# Altium PCB PCB3.PcbDoc (part 8 of 9)
Units mm, origin at the board's own origin, x right, y up, seen from the top; angles counter-clockwise.
Board outline 233.8 x 110.5 mm, 4 copper layers (Top Layer, Layer 1, Layer 2, Bottom Layer), stack 0.603 mm thick; 1414 components, 1732 nets, 4924 pads, 691 vias.
Unrouted connection lines stored in the file: 2464.
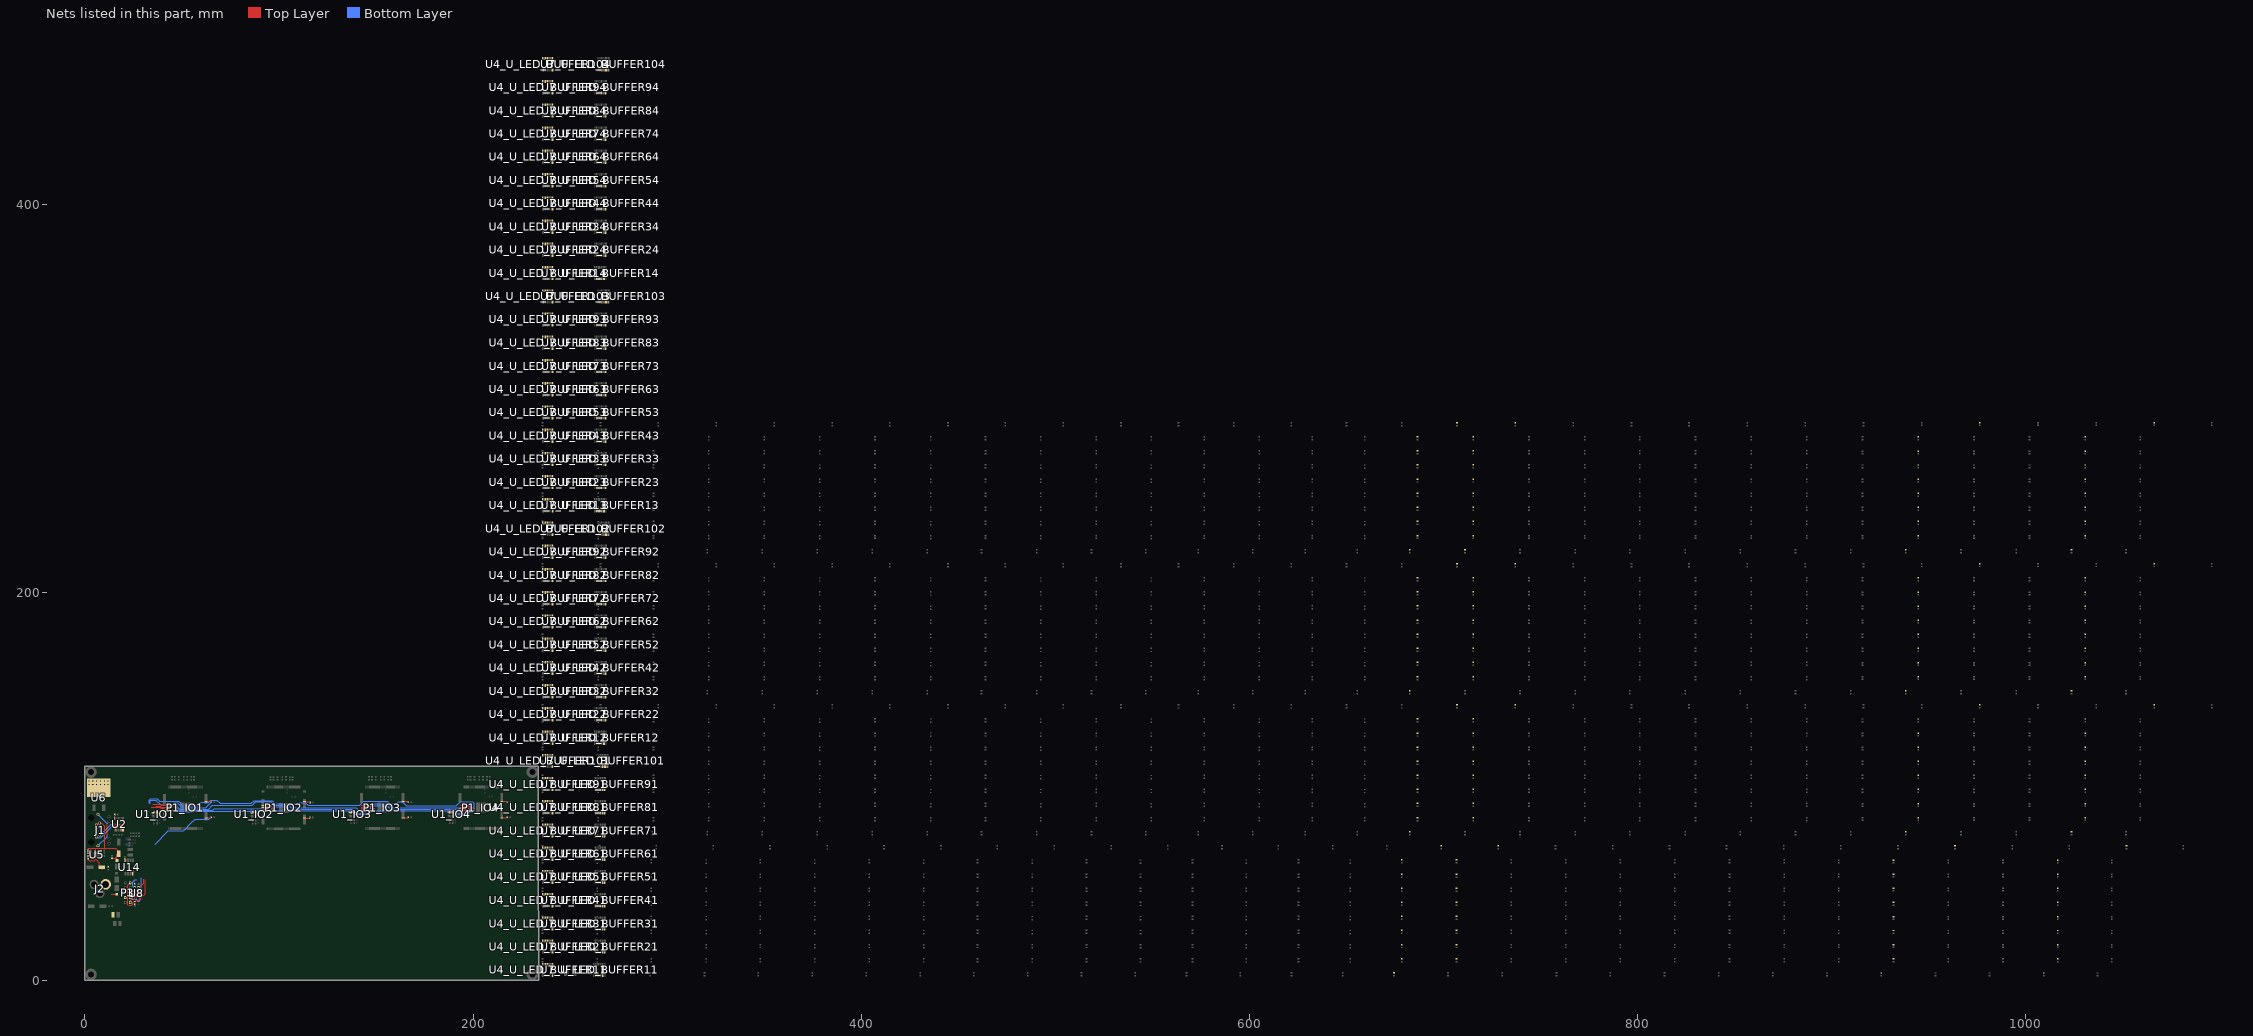
[diagram p10: the nets of this part, all layers, seen from the top]

## Via types
v1: diameter 0.61, hole 0.305, Top Layer to Bottom Layer, 691 vias

## Nets (pads, with @x,y where several pads share a name; then routed paths per layer and width w, separated by ;. In a path a pad name is that pad's centre, name@x,y a point inside that pad or via, vN(x,y) a via of type N, cw(c..) or ccw(c..) an arc to the next point about the centre after c; other vN are vias at no path point) (continued)
NetR53_U_LED_BUFFER14_1: R53_U_LED_BUFFER14.1 U4_U_LED_BUFFER14.8
NetR53_U_LED_BUFFER21_1: R53_U_LED_BUFFER21.1 U4_U_LED_BUFFER21.8
NetR53_U_LED_BUFFER22_1: R53_U_LED_BUFFER22.1 U4_U_LED_BUFFER22.8
NetR53_U_LED_BUFFER23_1: R53_U_LED_BUFFER23.1 U4_U_LED_BUFFER23.8
NetR53_U_LED_BUFFER24_1: R53_U_LED_BUFFER24.1 U4_U_LED_BUFFER24.8
NetR53_U_LED_BUFFER31_1: R53_U_LED_BUFFER31.1 U4_U_LED_BUFFER31.8
NetR53_U_LED_BUFFER32_1: R53_U_LED_BUFFER32.1 U4_U_LED_BUFFER32.8
NetR53_U_LED_BUFFER33_1: R53_U_LED_BUFFER33.1 U4_U_LED_BUFFER33.8
NetR53_U_LED_BUFFER34_1: R53_U_LED_BUFFER34.1 U4_U_LED_BUFFER34.8
NetR53_U_LED_BUFFER41_1: R53_U_LED_BUFFER41.1 U4_U_LED_BUFFER41.8
NetR53_U_LED_BUFFER42_1: R53_U_LED_BUFFER42.1 U4_U_LED_BUFFER42.8
NetR53_U_LED_BUFFER43_1: R53_U_LED_BUFFER43.1 U4_U_LED_BUFFER43.8
NetR53_U_LED_BUFFER44_1: R53_U_LED_BUFFER44.1 U4_U_LED_BUFFER44.8
NetR53_U_LED_BUFFER51_1: R53_U_LED_BUFFER51.1 U4_U_LED_BUFFER51.8
NetR53_U_LED_BUFFER52_1: R53_U_LED_BUFFER52.1 U4_U_LED_BUFFER52.8
NetR53_U_LED_BUFFER53_1: R53_U_LED_BUFFER53.1 U4_U_LED_BUFFER53.8
NetR53_U_LED_BUFFER54_1: R53_U_LED_BUFFER54.1 U4_U_LED_BUFFER54.8
NetR53_U_LED_BUFFER61_1: R53_U_LED_BUFFER61.1 U4_U_LED_BUFFER61.8
NetR53_U_LED_BUFFER62_1: R53_U_LED_BUFFER62.1 U4_U_LED_BUFFER62.8
NetR53_U_LED_BUFFER63_1: R53_U_LED_BUFFER63.1 U4_U_LED_BUFFER63.8
NetR53_U_LED_BUFFER64_1: R53_U_LED_BUFFER64.1 U4_U_LED_BUFFER64.8
NetR53_U_LED_BUFFER71_1: R53_U_LED_BUFFER71.1 U4_U_LED_BUFFER71.8
NetR53_U_LED_BUFFER72_1: R53_U_LED_BUFFER72.1 U4_U_LED_BUFFER72.8
NetR53_U_LED_BUFFER73_1: R53_U_LED_BUFFER73.1 U4_U_LED_BUFFER73.8
NetR53_U_LED_BUFFER74_1: R53_U_LED_BUFFER74.1 U4_U_LED_BUFFER74.8
NetR53_U_LED_BUFFER81_1: R53_U_LED_BUFFER81.1 U4_U_LED_BUFFER81.8
NetR53_U_LED_BUFFER82_1: R53_U_LED_BUFFER82.1 U4_U_LED_BUFFER82.8
NetR53_U_LED_BUFFER83_1: R53_U_LED_BUFFER83.1 U4_U_LED_BUFFER83.8
NetR53_U_LED_BUFFER84_1: R53_U_LED_BUFFER84.1 U4_U_LED_BUFFER84.8
NetR53_U_LED_BUFFER91_1: R53_U_LED_BUFFER91.1 U4_U_LED_BUFFER91.8
NetR53_U_LED_BUFFER92_1: R53_U_LED_BUFFER92.1 U4_U_LED_BUFFER92.8
NetR53_U_LED_BUFFER93_1: R53_U_LED_BUFFER93.1 U4_U_LED_BUFFER93.8
NetR53_U_LED_BUFFER94_1: R53_U_LED_BUFFER94.1 U4_U_LED_BUFFER94.8
NetR53_U_LED_BUFFER101_1: R53_U_LED_BUFFER101.1 U4_U_LED_BUFFER101.8
NetR53_U_LED_BUFFER102_1: R53_U_LED_BUFFER102.1 U4_U_LED_BUFFER102.8
NetR53_U_LED_BUFFER103_1: R53_U_LED_BUFFER103.1 U4_U_LED_BUFFER103.8
NetR53_U_LED_BUFFER104_1: R53_U_LED_BUFFER104.1 U4_U_LED_BUFFER104.8
NetR54_U_LED_BUFFER11_1: R54_U_LED_BUFFER11.1 U4_U_LED_BUFFER11.9
NetR54_U_LED_BUFFER12_1: R54_U_LED_BUFFER12.1 U4_U_LED_BUFFER12.9
NetR54_U_LED_BUFFER13_1: R54_U_LED_BUFFER13.1 U4_U_LED_BUFFER13.9
NetR54_U_LED_BUFFER14_1: R54_U_LED_BUFFER14.1 U4_U_LED_BUFFER14.9
NetR54_U_LED_BUFFER21_1: R54_U_LED_BUFFER21.1 U4_U_LED_BUFFER21.9
NetR54_U_LED_BUFFER22_1: R54_U_LED_BUFFER22.1 U4_U_LED_BUFFER22.9
NetR54_U_LED_BUFFER23_1: R54_U_LED_BUFFER23.1 U4_U_LED_BUFFER23.9
NetR54_U_LED_BUFFER24_1: R54_U_LED_BUFFER24.1 U4_U_LED_BUFFER24.9
NetR54_U_LED_BUFFER31_1: R54_U_LED_BUFFER31.1 U4_U_LED_BUFFER31.9
NetR54_U_LED_BUFFER32_1: R54_U_LED_BUFFER32.1 U4_U_LED_BUFFER32.9
NetR54_U_LED_BUFFER33_1: R54_U_LED_BUFFER33.1 U4_U_LED_BUFFER33.9
NetR54_U_LED_BUFFER34_1: R54_U_LED_BUFFER34.1 U4_U_LED_BUFFER34.9
NetR54_U_LED_BUFFER41_1: R54_U_LED_BUFFER41.1 U4_U_LED_BUFFER41.9
NetR54_U_LED_BUFFER42_1: R54_U_LED_BUFFER42.1 U4_U_LED_BUFFER42.9
NetR54_U_LED_BUFFER43_1: R54_U_LED_BUFFER43.1 U4_U_LED_BUFFER43.9
NetR54_U_LED_BUFFER44_1: R54_U_LED_BUFFER44.1 U4_U_LED_BUFFER44.9
NetR54_U_LED_BUFFER51_1: R54_U_LED_BUFFER51.1 U4_U_LED_BUFFER51.9
NetR54_U_LED_BUFFER52_1: R54_U_LED_BUFFER52.1 U4_U_LED_BUFFER52.9
NetR54_U_LED_BUFFER53_1: R54_U_LED_BUFFER53.1 U4_U_LED_BUFFER53.9
NetR54_U_LED_BUFFER54_1: R54_U_LED_BUFFER54.1 U4_U_LED_BUFFER54.9
NetR54_U_LED_BUFFER61_1: R54_U_LED_BUFFER61.1 U4_U_LED_BUFFER61.9
NetR54_U_LED_BUFFER62_1: R54_U_LED_BUFFER62.1 U4_U_LED_BUFFER62.9
NetR54_U_LED_BUFFER63_1: R54_U_LED_BUFFER63.1 U4_U_LED_BUFFER63.9
NetR54_U_LED_BUFFER64_1: R54_U_LED_BUFFER64.1 U4_U_LED_BUFFER64.9
NetR54_U_LED_BUFFER71_1: R54_U_LED_BUFFER71.1 U4_U_LED_BUFFER71.9
NetR54_U_LED_BUFFER72_1: R54_U_LED_BUFFER72.1 U4_U_LED_BUFFER72.9
NetR54_U_LED_BUFFER73_1: R54_U_LED_BUFFER73.1 U4_U_LED_BUFFER73.9
NetR54_U_LED_BUFFER74_1: R54_U_LED_BUFFER74.1 U4_U_LED_BUFFER74.9
NetR54_U_LED_BUFFER81_1: R54_U_LED_BUFFER81.1 U4_U_LED_BUFFER81.9
NetR54_U_LED_BUFFER82_1: R54_U_LED_BUFFER82.1 U4_U_LED_BUFFER82.9
NetR54_U_LED_BUFFER83_1: R54_U_LED_BUFFER83.1 U4_U_LED_BUFFER83.9
NetR54_U_LED_BUFFER84_1: R54_U_LED_BUFFER84.1 U4_U_LED_BUFFER84.9
NetR54_U_LED_BUFFER91_1: R54_U_LED_BUFFER91.1 U4_U_LED_BUFFER91.9
NetR54_U_LED_BUFFER92_1: R54_U_LED_BUFFER92.1 U4_U_LED_BUFFER92.9
NetR54_U_LED_BUFFER93_1: R54_U_LED_BUFFER93.1 U4_U_LED_BUFFER93.9
NetR54_U_LED_BUFFER94_1: R54_U_LED_BUFFER94.1 U4_U_LED_BUFFER94.9
NetR54_U_LED_BUFFER101_1: R54_U_LED_BUFFER101.1 U4_U_LED_BUFFER101.9
NetR54_U_LED_BUFFER102_1: R54_U_LED_BUFFER102.1 U4_U_LED_BUFFER102.9
NetR54_U_LED_BUFFER103_1: R54_U_LED_BUFFER103.1 U4_U_LED_BUFFER103.9
NetR54_U_LED_BUFFER104_1: R54_U_LED_BUFFER104.1 U4_U_LED_BUFFER104.9
NetU4_U_LED_BUFFER11_12: U4_U_LED_BUFFER11.12 U7_U_LED_BUFFER11.9
NetU4_U_LED_BUFFER11_13: U4_U_LED_BUFFER11.13 U7_U_LED_BUFFER11.8
NetU4_U_LED_BUFFER11_14: U4_U_LED_BUFFER11.14 U7_U_LED_BUFFER11.7
NetU4_U_LED_BUFFER11_15: U4_U_LED_BUFFER11.15 U7_U_LED_BUFFER11.6
NetU4_U_LED_BUFFER11_16: U4_U_LED_BUFFER11.16 U7_U_LED_BUFFER11.5
NetU4_U_LED_BUFFER11_17: U4_U_LED_BUFFER11.17 U7_U_LED_BUFFER11.4
NetU4_U_LED_BUFFER11_18: U4_U_LED_BUFFER11.18 U7_U_LED_BUFFER11.3
NetU4_U_LED_BUFFER11_20: U4_U_LED_BUFFER11.20 U7_U_LED_BUFFER11.2
NetU4_U_LED_BUFFER12_12: U4_U_LED_BUFFER12.12 U7_U_LED_BUFFER12.9
NetU4_U_LED_BUFFER12_13: U4_U_LED_BUFFER12.13 U7_U_LED_BUFFER12.8
NetU4_U_LED_BUFFER12_14: U4_U_LED_BUFFER12.14 U7_U_LED_BUFFER12.7
NetU4_U_LED_BUFFER12_15: U4_U_LED_BUFFER12.15 U7_U_LED_BUFFER12.6
NetU4_U_LED_BUFFER12_16: U4_U_LED_BUFFER12.16 U7_U_LED_BUFFER12.5
NetU4_U_LED_BUFFER12_17: U4_U_LED_BUFFER12.17 U7_U_LED_BUFFER12.4
NetU4_U_LED_BUFFER12_18: U4_U_LED_BUFFER12.18 U7_U_LED_BUFFER12.3
NetU4_U_LED_BUFFER12_20: U4_U_LED_BUFFER12.20 U7_U_LED_BUFFER12.2
NetU4_U_LED_BUFFER13_12: U4_U_LED_BUFFER13.12 U7_U_LED_BUFFER13.9
NetU4_U_LED_BUFFER13_13: U4_U_LED_BUFFER13.13 U7_U_LED_BUFFER13.8
NetU4_U_LED_BUFFER13_14: U4_U_LED_BUFFER13.14 U7_U_LED_BUFFER13.7
NetU4_U_LED_BUFFER13_15: U4_U_LED_BUFFER13.15 U7_U_LED_BUFFER13.6
NetU4_U_LED_BUFFER13_16: U4_U_LED_BUFFER13.16 U7_U_LED_BUFFER13.5
NetU4_U_LED_BUFFER13_17: U4_U_LED_BUFFER13.17 U7_U_LED_BUFFER13.4
NetU4_U_LED_BUFFER13_18: U4_U_LED_BUFFER13.18 U7_U_LED_BUFFER13.3
NetU4_U_LED_BUFFER13_20: U4_U_LED_BUFFER13.20 U7_U_LED_BUFFER13.2
NetU4_U_LED_BUFFER14_12: U4_U_LED_BUFFER14.12 U7_U_LED_BUFFER14.9
NetU4_U_LED_BUFFER14_13: U4_U_LED_BUFFER14.13 U7_U_LED_BUFFER14.8
NetU4_U_LED_BUFFER14_14: U4_U_LED_BUFFER14.14 U7_U_LED_BUFFER14.7
NetU4_U_LED_BUFFER14_15: U4_U_LED_BUFFER14.15 U7_U_LED_BUFFER14.6
NetU4_U_LED_BUFFER14_16: U4_U_LED_BUFFER14.16 U7_U_LED_BUFFER14.5
NetU4_U_LED_BUFFER14_17: U4_U_LED_BUFFER14.17 U7_U_LED_BUFFER14.4
NetU4_U_LED_BUFFER14_18: U4_U_LED_BUFFER14.18 U7_U_LED_BUFFER14.3
NetU4_U_LED_BUFFER14_20: U4_U_LED_BUFFER14.20 U7_U_LED_BUFFER14.2
NetU4_U_LED_BUFFER21_12: U4_U_LED_BUFFER21.12 U7_U_LED_BUFFER21.9
NetU4_U_LED_BUFFER21_13: U4_U_LED_BUFFER21.13 U7_U_LED_BUFFER21.8
NetU4_U_LED_BUFFER21_14: U4_U_LED_BUFFER21.14 U7_U_LED_BUFFER21.7
NetU4_U_LED_BUFFER21_15: U4_U_LED_BUFFER21.15 U7_U_LED_BUFFER21.6
NetU4_U_LED_BUFFER21_16: U4_U_LED_BUFFER21.16 U7_U_LED_BUFFER21.5
NetU4_U_LED_BUFFER21_17: U4_U_LED_BUFFER21.17 U7_U_LED_BUFFER21.4
NetU4_U_LED_BUFFER21_18: U4_U_LED_BUFFER21.18 U7_U_LED_BUFFER21.3
NetU4_U_LED_BUFFER21_20: U4_U_LED_BUFFER21.20 U7_U_LED_BUFFER21.2
NetU4_U_LED_BUFFER22_12: U4_U_LED_BUFFER22.12 U7_U_LED_BUFFER22.9
NetU4_U_LED_BUFFER22_13: U4_U_LED_BUFFER22.13 U7_U_LED_BUFFER22.8
NetU4_U_LED_BUFFER22_14: U4_U_LED_BUFFER22.14 U7_U_LED_BUFFER22.7
NetU4_U_LED_BUFFER22_15: U4_U_LED_BUFFER22.15 U7_U_LED_BUFFER22.6
NetU4_U_LED_BUFFER22_16: U4_U_LED_BUFFER22.16 U7_U_LED_BUFFER22.5
NetU4_U_LED_BUFFER22_17: U4_U_LED_BUFFER22.17 U7_U_LED_BUFFER22.4
NetU4_U_LED_BUFFER22_18: U4_U_LED_BUFFER22.18 U7_U_LED_BUFFER22.3
NetU4_U_LED_BUFFER22_20: U4_U_LED_BUFFER22.20 U7_U_LED_BUFFER22.2
NetU4_U_LED_BUFFER23_12: U4_U_LED_BUFFER23.12 U7_U_LED_BUFFER23.9
NetU4_U_LED_BUFFER23_13: U4_U_LED_BUFFER23.13 U7_U_LED_BUFFER23.8
NetU4_U_LED_BUFFER23_14: U4_U_LED_BUFFER23.14 U7_U_LED_BUFFER23.7
NetU4_U_LED_BUFFER23_15: U4_U_LED_BUFFER23.15 U7_U_LED_BUFFER23.6
NetU4_U_LED_BUFFER23_16: U4_U_LED_BUFFER23.16 U7_U_LED_BUFFER23.5
NetU4_U_LED_BUFFER23_17: U4_U_LED_BUFFER23.17 U7_U_LED_BUFFER23.4
NetU4_U_LED_BUFFER23_18: U4_U_LED_BUFFER23.18 U7_U_LED_BUFFER23.3
NetU4_U_LED_BUFFER23_20: U4_U_LED_BUFFER23.20 U7_U_LED_BUFFER23.2
NetU4_U_LED_BUFFER24_12: U4_U_LED_BUFFER24.12 U7_U_LED_BUFFER24.9
NetU4_U_LED_BUFFER24_13: U4_U_LED_BUFFER24.13 U7_U_LED_BUFFER24.8
NetU4_U_LED_BUFFER24_14: U4_U_LED_BUFFER24.14 U7_U_LED_BUFFER24.7
NetU4_U_LED_BUFFER24_15: U4_U_LED_BUFFER24.15 U7_U_LED_BUFFER24.6
NetU4_U_LED_BUFFER24_16: U4_U_LED_BUFFER24.16 U7_U_LED_BUFFER24.5
NetU4_U_LED_BUFFER24_17: U4_U_LED_BUFFER24.17 U7_U_LED_BUFFER24.4
NetU4_U_LED_BUFFER24_18: U4_U_LED_BUFFER24.18 U7_U_LED_BUFFER24.3
NetU4_U_LED_BUFFER24_20: U4_U_LED_BUFFER24.20 U7_U_LED_BUFFER24.2
NetU4_U_LED_BUFFER31_12: U4_U_LED_BUFFER31.12 U7_U_LED_BUFFER31.9
NetU4_U_LED_BUFFER31_13: U4_U_LED_BUFFER31.13 U7_U_LED_BUFFER31.8
NetU4_U_LED_BUFFER31_14: U4_U_LED_BUFFER31.14 U7_U_LED_BUFFER31.7
NetU4_U_LED_BUFFER31_15: U4_U_LED_BUFFER31.15 U7_U_LED_BUFFER31.6
NetU4_U_LED_BUFFER31_16: U4_U_LED_BUFFER31.16 U7_U_LED_BUFFER31.5
NetU4_U_LED_BUFFER31_17: U4_U_LED_BUFFER31.17 U7_U_LED_BUFFER31.4
NetU4_U_LED_BUFFER31_18: U4_U_LED_BUFFER31.18 U7_U_LED_BUFFER31.3
NetU4_U_LED_BUFFER31_20: U4_U_LED_BUFFER31.20 U7_U_LED_BUFFER31.2
NetU4_U_LED_BUFFER32_12: U4_U_LED_BUFFER32.12 U7_U_LED_BUFFER32.9
NetU4_U_LED_BUFFER32_13: U4_U_LED_BUFFER32.13 U7_U_LED_BUFFER32.8
NetU4_U_LED_BUFFER32_14: U4_U_LED_BUFFER32.14 U7_U_LED_BUFFER32.7
NetU4_U_LED_BUFFER32_15: U4_U_LED_BUFFER32.15 U7_U_LED_BUFFER32.6
NetU4_U_LED_BUFFER32_16: U4_U_LED_BUFFER32.16 U7_U_LED_BUFFER32.5
NetU4_U_LED_BUFFER32_17: U4_U_LED_BUFFER32.17 U7_U_LED_BUFFER32.4
NetU4_U_LED_BUFFER32_18: U4_U_LED_BUFFER32.18 U7_U_LED_BUFFER32.3
NetU4_U_LED_BUFFER32_20: U4_U_LED_BUFFER32.20 U7_U_LED_BUFFER32.2
NetU4_U_LED_BUFFER33_12: U4_U_LED_BUFFER33.12 U7_U_LED_BUFFER33.9
NetU4_U_LED_BUFFER33_13: U4_U_LED_BUFFER33.13 U7_U_LED_BUFFER33.8
NetU4_U_LED_BUFFER33_14: U4_U_LED_BUFFER33.14 U7_U_LED_BUFFER33.7
NetU4_U_LED_BUFFER33_15: U4_U_LED_BUFFER33.15 U7_U_LED_BUFFER33.6
NetU4_U_LED_BUFFER33_16: U4_U_LED_BUFFER33.16 U7_U_LED_BUFFER33.5
NetU4_U_LED_BUFFER33_17: U4_U_LED_BUFFER33.17 U7_U_LED_BUFFER33.4
NetU4_U_LED_BUFFER33_18: U4_U_LED_BUFFER33.18 U7_U_LED_BUFFER33.3
NetU4_U_LED_BUFFER33_20: U4_U_LED_BUFFER33.20 U7_U_LED_BUFFER33.2
NetU4_U_LED_BUFFER34_12: U4_U_LED_BUFFER34.12 U7_U_LED_BUFFER34.9
NetU4_U_LED_BUFFER34_13: U4_U_LED_BUFFER34.13 U7_U_LED_BUFFER34.8
NetU4_U_LED_BUFFER34_14: U4_U_LED_BUFFER34.14 U7_U_LED_BUFFER34.7
NetU4_U_LED_BUFFER34_15: U4_U_LED_BUFFER34.15 U7_U_LED_BUFFER34.6
NetU4_U_LED_BUFFER34_16: U4_U_LED_BUFFER34.16 U7_U_LED_BUFFER34.5
NetU4_U_LED_BUFFER34_17: U4_U_LED_BUFFER34.17 U7_U_LED_BUFFER34.4
NetU4_U_LED_BUFFER34_18: U4_U_LED_BUFFER34.18 U7_U_LED_BUFFER34.3
NetU4_U_LED_BUFFER34_20: U4_U_LED_BUFFER34.20 U7_U_LED_BUFFER34.2
NetU4_U_LED_BUFFER41_12: U4_U_LED_BUFFER41.12 U7_U_LED_BUFFER41.9
NetU4_U_LED_BUFFER41_13: U4_U_LED_BUFFER41.13 U7_U_LED_BUFFER41.8
NetU4_U_LED_BUFFER41_14: U4_U_LED_BUFFER41.14 U7_U_LED_BUFFER41.7
NetU4_U_LED_BUFFER41_15: U4_U_LED_BUFFER41.15 U7_U_LED_BUFFER41.6
NetU4_U_LED_BUFFER41_16: U4_U_LED_BUFFER41.16 U7_U_LED_BUFFER41.5
NetU4_U_LED_BUFFER41_17: U4_U_LED_BUFFER41.17 U7_U_LED_BUFFER41.4
NetU4_U_LED_BUFFER41_18: U4_U_LED_BUFFER41.18 U7_U_LED_BUFFER41.3
NetU4_U_LED_BUFFER41_20: U4_U_LED_BUFFER41.20 U7_U_LED_BUFFER41.2
NetU4_U_LED_BUFFER42_12: U4_U_LED_BUFFER42.12 U7_U_LED_BUFFER42.9
NetU4_U_LED_BUFFER42_13: U4_U_LED_BUFFER42.13 U7_U_LED_BUFFER42.8
NetU4_U_LED_BUFFER42_14: U4_U_LED_BUFFER42.14 U7_U_LED_BUFFER42.7
NetU4_U_LED_BUFFER42_15: U4_U_LED_BUFFER42.15 U7_U_LED_BUFFER42.6
NetU4_U_LED_BUFFER42_16: U4_U_LED_BUFFER42.16 U7_U_LED_BUFFER42.5
NetU4_U_LED_BUFFER42_17: U4_U_LED_BUFFER42.17 U7_U_LED_BUFFER42.4
NetU4_U_LED_BUFFER42_18: U4_U_LED_BUFFER42.18 U7_U_LED_BUFFER42.3
NetU4_U_LED_BUFFER42_20: U4_U_LED_BUFFER42.20 U7_U_LED_BUFFER42.2
NetU4_U_LED_BUFFER43_12: U4_U_LED_BUFFER43.12 U7_U_LED_BUFFER43.9
NetU4_U_LED_BUFFER43_13: U4_U_LED_BUFFER43.13 U7_U_LED_BUFFER43.8
NetU4_U_LED_BUFFER43_14: U4_U_LED_BUFFER43.14 U7_U_LED_BUFFER43.7
NetU4_U_LED_BUFFER43_15: U4_U_LED_BUFFER43.15 U7_U_LED_BUFFER43.6
NetU4_U_LED_BUFFER43_16: U4_U_LED_BUFFER43.16 U7_U_LED_BUFFER43.5
NetU4_U_LED_BUFFER43_17: U4_U_LED_BUFFER43.17 U7_U_LED_BUFFER43.4
NetU4_U_LED_BUFFER43_18: U4_U_LED_BUFFER43.18 U7_U_LED_BUFFER43.3
NetU4_U_LED_BUFFER43_20: U4_U_LED_BUFFER43.20 U7_U_LED_BUFFER43.2
NetU4_U_LED_BUFFER44_12: U4_U_LED_BUFFER44.12 U7_U_LED_BUFFER44.9
NetU4_U_LED_BUFFER44_13: U4_U_LED_BUFFER44.13 U7_U_LED_BUFFER44.8
NetU4_U_LED_BUFFER44_14: U4_U_LED_BUFFER44.14 U7_U_LED_BUFFER44.7
NetU4_U_LED_BUFFER44_15: U4_U_LED_BUFFER44.15 U7_U_LED_BUFFER44.6
NetU4_U_LED_BUFFER44_16: U4_U_LED_BUFFER44.16 U7_U_LED_BUFFER44.5
NetU4_U_LED_BUFFER44_17: U4_U_LED_BUFFER44.17 U7_U_LED_BUFFER44.4
NetU4_U_LED_BUFFER44_18: U4_U_LED_BUFFER44.18 U7_U_LED_BUFFER44.3
NetU4_U_LED_BUFFER44_20: U4_U_LED_BUFFER44.20 U7_U_LED_BUFFER44.2
NetU4_U_LED_BUFFER51_12: U4_U_LED_BUFFER51.12 U7_U_LED_BUFFER51.9
NetU4_U_LED_BUFFER51_13: U4_U_LED_BUFFER51.13 U7_U_LED_BUFFER51.8
NetU4_U_LED_BUFFER51_14: U4_U_LED_BUFFER51.14 U7_U_LED_BUFFER51.7
NetU4_U_LED_BUFFER51_15: U4_U_LED_BUFFER51.15 U7_U_LED_BUFFER51.6
NetU4_U_LED_BUFFER51_16: U4_U_LED_BUFFER51.16 U7_U_LED_BUFFER51.5
NetU4_U_LED_BUFFER51_17: U4_U_LED_BUFFER51.17 U7_U_LED_BUFFER51.4
NetU4_U_LED_BUFFER51_18: U4_U_LED_BUFFER51.18 U7_U_LED_BUFFER51.3
NetU4_U_LED_BUFFER51_20: U4_U_LED_BUFFER51.20 U7_U_LED_BUFFER51.2
NetU4_U_LED_BUFFER52_12: U4_U_LED_BUFFER52.12 U7_U_LED_BUFFER52.9
NetU4_U_LED_BUFFER52_13: U4_U_LED_BUFFER52.13 U7_U_LED_BUFFER52.8
NetU4_U_LED_BUFFER52_14: U4_U_LED_BUFFER52.14 U7_U_LED_BUFFER52.7
NetU4_U_LED_BUFFER52_15: U4_U_LED_BUFFER52.15 U7_U_LED_BUFFER52.6
NetU4_U_LED_BUFFER52_16: U4_U_LED_BUFFER52.16 U7_U_LED_BUFFER52.5
NetU4_U_LED_BUFFER52_17: U4_U_LED_BUFFER52.17 U7_U_LED_BUFFER52.4
NetU4_U_LED_BUFFER52_18: U4_U_LED_BUFFER52.18 U7_U_LED_BUFFER52.3
NetU4_U_LED_BUFFER52_20: U4_U_LED_BUFFER52.20 U7_U_LED_BUFFER52.2
NetU4_U_LED_BUFFER53_12: U4_U_LED_BUFFER53.12 U7_U_LED_BUFFER53.9
NetU4_U_LED_BUFFER53_13: U4_U_LED_BUFFER53.13 U7_U_LED_BUFFER53.8
NetU4_U_LED_BUFFER53_14: U4_U_LED_BUFFER53.14 U7_U_LED_BUFFER53.7
NetU4_U_LED_BUFFER53_15: U4_U_LED_BUFFER53.15 U7_U_LED_BUFFER53.6
NetU4_U_LED_BUFFER53_16: U4_U_LED_BUFFER53.16 U7_U_LED_BUFFER53.5
NetU4_U_LED_BUFFER53_17: U4_U_LED_BUFFER53.17 U7_U_LED_BUFFER53.4
NetU4_U_LED_BUFFER53_18: U4_U_LED_BUFFER53.18 U7_U_LED_BUFFER53.3
NetU4_U_LED_BUFFER53_20: U4_U_LED_BUFFER53.20 U7_U_LED_BUFFER53.2
NetU4_U_LED_BUFFER54_12: U4_U_LED_BUFFER54.12 U7_U_LED_BUFFER54.9
NetU4_U_LED_BUFFER54_13: U4_U_LED_BUFFER54.13 U7_U_LED_BUFFER54.8
NetU4_U_LED_BUFFER54_14: U4_U_LED_BUFFER54.14 U7_U_LED_BUFFER54.7
NetU4_U_LED_BUFFER54_15: U4_U_LED_BUFFER54.15 U7_U_LED_BUFFER54.6
NetU4_U_LED_BUFFER54_16: U4_U_LED_BUFFER54.16 U7_U_LED_BUFFER54.5
NetU4_U_LED_BUFFER54_17: U4_U_LED_BUFFER54.17 U7_U_LED_BUFFER54.4
NetU4_U_LED_BUFFER54_18: U4_U_LED_BUFFER54.18 U7_U_LED_BUFFER54.3
NetU4_U_LED_BUFFER54_20: U4_U_LED_BUFFER54.20 U7_U_LED_BUFFER54.2
NetU4_U_LED_BUFFER61_12: U4_U_LED_BUFFER61.12 U7_U_LED_BUFFER61.9
NetU4_U_LED_BUFFER61_13: U4_U_LED_BUFFER61.13 U7_U_LED_BUFFER61.8
NetU4_U_LED_BUFFER61_14: U4_U_LED_BUFFER61.14 U7_U_LED_BUFFER61.7
NetU4_U_LED_BUFFER61_15: U4_U_LED_BUFFER61.15 U7_U_LED_BUFFER61.6
NetU4_U_LED_BUFFER61_16: U4_U_LED_BUFFER61.16 U7_U_LED_BUFFER61.5
NetU4_U_LED_BUFFER61_17: U4_U_LED_BUFFER61.17 U7_U_LED_BUFFER61.4
NetU4_U_LED_BUFFER61_18: U4_U_LED_BUFFER61.18 U7_U_LED_BUFFER61.3
NetU4_U_LED_BUFFER61_20: U4_U_LED_BUFFER61.20 U7_U_LED_BUFFER61.2
NetU4_U_LED_BUFFER62_12: U4_U_LED_BUFFER62.12 U7_U_LED_BUFFER62.9
NetU4_U_LED_BUFFER62_13: U4_U_LED_BUFFER62.13 U7_U_LED_BUFFER62.8
NetU4_U_LED_BUFFER62_14: U4_U_LED_BUFFER62.14 U7_U_LED_BUFFER62.7
NetU4_U_LED_BUFFER62_15: U4_U_LED_BUFFER62.15 U7_U_LED_BUFFER62.6
NetU4_U_LED_BUFFER62_16: U4_U_LED_BUFFER62.16 U7_U_LED_BUFFER62.5
NetU4_U_LED_BUFFER62_17: U4_U_LED_BUFFER62.17 U7_U_LED_BUFFER62.4
NetU4_U_LED_BUFFER62_18: U4_U_LED_BUFFER62.18 U7_U_LED_BUFFER62.3
NetU4_U_LED_BUFFER62_20: U4_U_LED_BUFFER62.20 U7_U_LED_BUFFER62.2
NetU4_U_LED_BUFFER63_12: U4_U_LED_BUFFER63.12 U7_U_LED_BUFFER63.9
NetU4_U_LED_BUFFER63_13: U4_U_LED_BUFFER63.13 U7_U_LED_BUFFER63.8
NetU4_U_LED_BUFFER63_14: U4_U_LED_BUFFER63.14 U7_U_LED_BUFFER63.7
NetU4_U_LED_BUFFER63_15: U4_U_LED_BUFFER63.15 U7_U_LED_BUFFER63.6
NetU4_U_LED_BUFFER63_16: U4_U_LED_BUFFER63.16 U7_U_LED_BUFFER63.5
NetU4_U_LED_BUFFER63_17: U4_U_LED_BUFFER63.17 U7_U_LED_BUFFER63.4
NetU4_U_LED_BUFFER63_18: U4_U_LED_BUFFER63.18 U7_U_LED_BUFFER63.3
NetU4_U_LED_BUFFER63_20: U4_U_LED_BUFFER63.20 U7_U_LED_BUFFER63.2
NetU4_U_LED_BUFFER64_12: U4_U_LED_BUFFER64.12 U7_U_LED_BUFFER64.9